# Altium PCB openservo_tessellated.PcbDoc (part 5 of 13)
Units mm, origin at the board's own origin, x right, y up, seen from the top; angles counter-clockwise.
Board outline 225 x 202.5 mm, 2 copper layers (Top Layer, Bottom Layer); 1250 components, 19 nets, 5300 pads, 1100 vias.
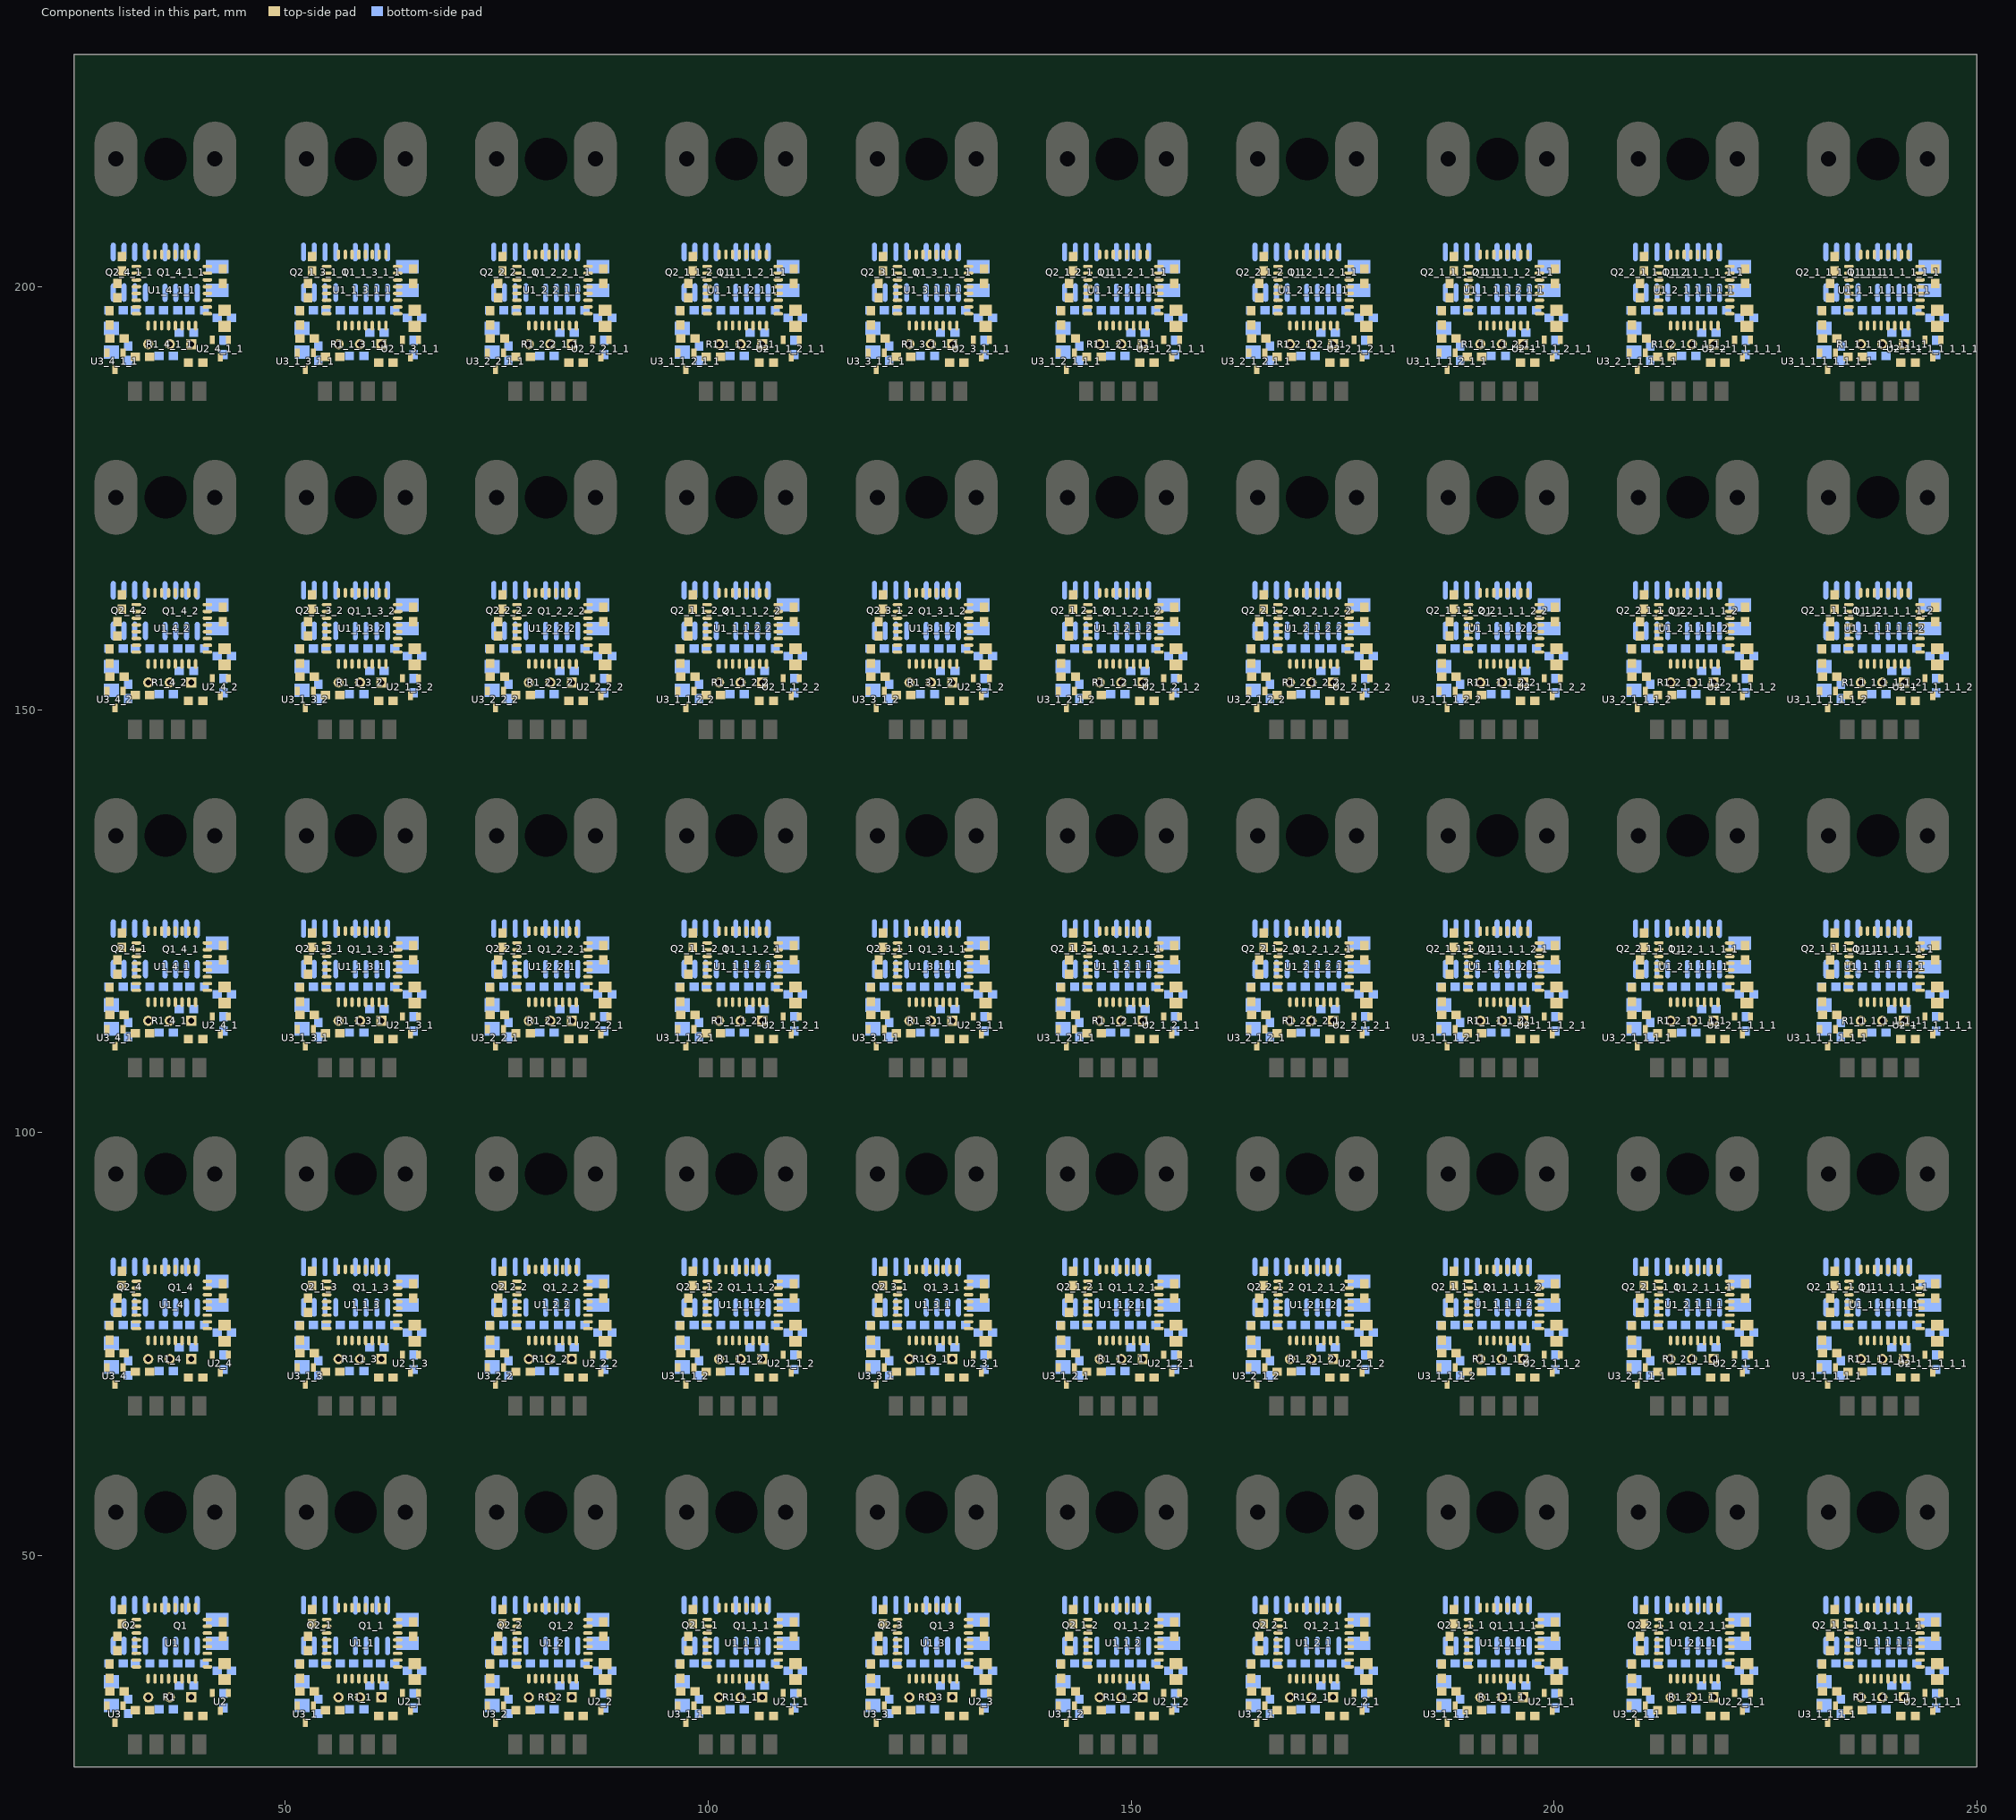
[diagram p5: the components of this part, seen from the top]

## Via types
v1: diameter 0.762, hole 0.35, Top Layer to Bottom Layer, 1000 vias
v2: diameter 1.27, hole 0.7, Top Layer to Bottom Layer, 100 vias

## Nets (pads, with @x,y where several pads share a name; then routed paths per layer and width w, separated by ;. In a path a pad name is that pad's centre, name@x,y a point inside that pad or via, vN(x,y) a via of type N, cw(c..) or ccw(c..) an arc to the next point about the centre after c; other vN are vias at no path point) (continued)
pads on no net: U1_2_1_1_1_2.25 U1_2_1_1_1_2.26 U1_2_1_1_1_2.27 U1_2_1_1_1_2.28 U1_2_1_1_1_2.29 U1_2_1_1_1_2.30 U1_2_1_1_1_2.31 U1_2_1_1_1_2.32 U1_2_1_2.1 U1_2_1_2.2 U1_2_1_2.3 U1_2_1_2.4 U1_2_1_2.5 U1_2_1_2.6 U1_2_1_2.7 U1_2_1_2.8 U1_2_1_2.9 U1_2_1_2.10 U1_2_1_2.11 U1_2_1_2.12 U1_2_1_2.13 U1_2_1_2.14 U1_2_1_2.15 U1_2_1_2.16 U1_2_1_2.17 U1_2_1_2.18 U1_2_1_2.19 U1_2_1_2.20 U1_2_1_2.21 U1_2_1_2.22 U1_2_1_2.23 U1_2_1_2.24 U1_2_1_2.25 U1_2_1_2.26 U1_2_1_2.27 U1_2_1_2.28 U1_2_1_2.29 U1_2_1_2.30 U1_2_1_2.31 U1_2_1_2.32 U1_2_1_2_1.1 U1_2_1_2_1.2 U1_2_1_2_1.3 U1_2_1_2_1.4 U1_2_1_2_1.5 U1_2_1_2_1.6 U1_2_1_2_1.7 U1_2_1_2_1.8 U1_2_1_2_1.9 U1_2_1_2_1.10 U1_2_1_2_1.11 U1_2_1_2_1.12 U1_2_1_2_1.13 U1_2_1_2_1.14 U1_2_1_2_1.15 U1_2_1_2_1.16 U1_2_1_2_1.17 U1_2_1_2_1.18 U1_2_1_2_1.19 U1_2_1_2_1.20 U1_2_1_2_1.21 U1_2_1_2_1.22 U1_2_1_2_1.23 U1_2_1_2_1.24 U1_2_1_2_1.25 U1_2_1_2_1.26 U1_2_1_2_1.27 U1_2_1_2_1.28 U1_2_1_2_1.29 U1_2_1_2_1.30 U1_2_1_2_1.31 U1_2_1_2_1.32 U1_2_1_2_1_1.1 U1_2_1_2_1_1.2 U1_2_1_2_1_1.3 U1_2_1_2_1_1.4 U1_2_1_2_1_1.5 U1_2_1_2_1_1.6 U1_2_1_2_1_1.7 U1_2_1_2_1_1.8 U1_2_1_2_1_1.9 U1_2_1_2_1_1.10 U1_2_1_2_1_1.11 U1_2_1_2_1_1.12 U1_2_1_2_1_1.13 U1_2_1_2_1_1.14 U1_2_1_2_1_1.15 U1_2_1_2_1_1.16 U1_2_1_2_1_1.17 U1_2_1_2_1_1.18 U1_2_1_2_1_1.19 U1_2_1_2_1_1.20 U1_2_1_2_1_1.21 U1_2_1_2_1_1.22 U1_2_1_2_1_1.23 U1_2_1_2_1_1.24 U1_2_1_2_1_1.25 U1_2_1_2_1_1.26 U1_2_1_2_1_1.27 U1_2_1_2_1_1.28 U1_2_1_2_1_1.29 U1_2_1_2_1_1.30 U1_2_1_2_1_1.31 U1_2_1_2_1_1.32 U1_2_1_2_2.1 U1_2_1_2_2.2 U1_2_1_2_2.3 U1_2_1_2_2.4 U1_2_1_2_2.5 U1_2_1_2_2.6 U1_2_1_2_2.7 U1_2_1_2_2.8 U1_2_1_2_2.9 U1_2_1_2_2.10 U1_2_1_2_2.11 U1_2_1_2_2.12 U1_2_1_2_2.13 U1_2_1_2_2.14 U1_2_1_2_2.15 U1_2_1_2_2.16 U1_2_1_2_2.17 U1_2_1_2_2.18 U1_2_1_2_2.19 U1_2_1_2_2.20 U1_2_1_2_2.21 U1_2_1_2_2.22 U1_2_1_2_2.23 U1_2_1_2_2.24 U1_2_1_2_2.25 U1_2_1_2_2.26 U1_2_1_2_2.27 U1_2_1_2_2.28 U1_2_1_2_2.29 U1_2_1_2_2.30 U1_2_1_2_2.31 U1_2_1_2_2.32 U1_2_2.1 U1_2_2.2 U1_2_2.3 U1_2_2.4 U1_2_2.5 U1_2_2.6 U1_2_2.7 U1_2_2.8 U1_2_2.9 U1_2_2.10 U1_2_2.11 U1_2_2.12 U1_2_2.13 U1_2_2.14 U1_2_2.15 U1_2_2.16 U1_2_2.17 U1_2_2.18 U1_2_2.19 U1_2_2.20 U1_2_2.21 U1_2_2.22 U1_2_2.23 U1_2_2.24 U1_2_2.25 U1_2_2.26 U1_2_2.27 U1_2_2.28 U1_2_2.29 U1_2_2.30 U1_2_2.31 U1_2_2.32 U1_2_2_1.1 U1_2_2_1.2 U1_2_2_1.3 U1_2_2_1.4 U1_2_2_1.5 U1_2_2_1.6 U1_2_2_1.7 U1_2_2_1.8 U1_2_2_1.9 U1_2_2_1.10 U1_2_2_1.11 U1_2_2_1.12 U1_2_2_1.13 U1_2_2_1.14 U1_2_2_1.15 U1_2_2_1.16 U1_2_2_1.17 U1_2_2_1.18 U1_2_2_1.19 U1_2_2_1.20 U1_2_2_1.21 U1_2_2_1.22 U1_2_2_1.23 U1_2_2_1.24 U1_2_2_1.25 U1_2_2_1.26 U1_2_2_1.27 U1_2_2_1.28 U1_2_2_1.29 U1_2_2_1.30 U1_2_2_1.31 U1_2_2_1.32 U1_2_2_1_1.1 U1_2_2_1_1.2 U1_2_2_1_1.3 U1_2_2_1_1.4 U1_2_2_1_1.5 U1_2_2_1_1.6 U1_2_2_1_1.7 U1_2_2_1_1.8 U1_2_2_1_1.9 U1_2_2_1_1.10 U1_2_2_1_1.11 U1_2_2_1_1.12 U1_2_2_1_1.13 U1_2_2_1_1.14 U1_2_2_1_1.15 U1_2_2_1_1.16 U1_2_2_1_1.17 U1_2_2_1_1.18 U1_2_2_1_1.19 U1_2_2_1_1.20 U1_2_2_1_1.21 U1_2_2_1_1.22 U1_2_2_1_1.23 U1_2_2_1_1.24 U1_2_2_1_1.25 U1_2_2_1_1.26 U1_2_2_1_1.27 U1_2_2_1_1.28 U1_2_2_1_1.29 U1_2_2_1_1.30 U1_2_2_1_1.31 U1_2_2_1_1.32 U1_2_2_2.1 U1_2_2_2.2 U1_2_2_2.3 U1_2_2_2.4 U1_2_2_2.5 U1_2_2_2.6 U1_2_2_2.7 U1_2_2_2.8 U1_2_2_2.9 U1_2_2_2.10 U1_2_2_2.11 U1_2_2_2.12 U1_2_2_2.13 U1_2_2_2.14 U1_2_2_2.15 U1_2_2_2.16 U1_2_2_2.17 U1_2_2_2.18 U1_2_2_2.19 U1_2_2_2.20 U1_2_2_2.21 U1_2_2_2.22 U1_2_2_2.23 U1_2_2_2.24 U1_2_2_2.25 U1_2_2_2.26 U1_2_2_2.27 U1_2_2_2.28 U1_2_2_2.29 U1_2_2_2.30 U1_2_2_2.31 U1_2_2_2.32 U1_3.1 U1_3.2 U1_3.3 U1_3.4 U1_3.5 U1_3.6 U1_3.7 U1_3.8 U1_3.9 U1_3.10 U1_3.11 U1_3.12 U1_3.13 U1_3.14 U1_3.15 U1_3.16 U1_3.17 U1_3.18 U1_3.19 U1_3.20 U1_3.21 U1_3.22 U1_3.23 U1_3.24 U1_3.25 U1_3.26 U1_3.27 U1_3.28 U1_3.29 U1_3.30 U1_3.31 U1_3.32 U1_3_1.1 U1_3_1.2 U1_3_1.3 U1_3_1.4 U1_3_1.5 U1_3_1.6 U1_3_1.7 U1_3_1.8 U1_3_1.9 U1_3_1.10 U1_3_1.11 U1_3_1.12 U1_3_1.13 U1_3_1.14 U1_3_1.15 U1_3_1.16 U1_3_1.17 U1_3_1.18 U1_3_1.19 U1_3_1.20 U1_3_1.21 U1_3_1.22 U1_3_1.23 U1_3_1.24 U1_3_1.25 U1_3_1.26 U1_3_1.27 U1_3_1.28 U1_3_1.29 U1_3_1.30 U1_3_1.31 U1_3_1.32 U1_3_1_1.1 U1_3_1_1.2 U1_3_1_1.3 U1_3_1_1.4 U1_3_1_1.5 U1_3_1_1.6 U1_3_1_1.7 U1_3_1_1.8 U1_3_1_1.9 U1_3_1_1.10 U1_3_1_1.11 U1_3_1_1.12 U1_3_1_1.13 U1_3_1_1.14 U1_3_1_1.15 U1_3_1_1.16 U1_3_1_1.17 U1_3_1_1.18 U1_3_1_1.19 U1_3_1_1.20 U1_3_1_1.21 U1_3_1_1.22 U1_3_1_1.23 U1_3_1_1.24 U1_3_1_1.25 U1_3_1_1.26 U1_3_1_1.27 U1_3_1_1.28 U1_3_1_1.29 U1_3_1_1.30 U1_3_1_1.31 U1_3_1_1.32 U1_3_1_1_1.1 U1_3_1_1_1.2 U1_3_1_1_1.3 U1_3_1_1_1.4 U1_3_1_1_1.5 U1_3_1_1_1.6 U1_3_1_1_1.7 U1_3_1_1_1.8 U1_3_1_1_1.9 U1_3_1_1_1.10 U1_3_1_1_1.11 U1_3_1_1_1.12 U1_3_1_1_1.13 U1_3_1_1_1.14 U1_3_1_1_1.15 U1_3_1_1_1.16 U1_3_1_1_1.17 U1_3_1_1_1.18 U1_3_1_1_1.19 U1_3_1_1_1.20 U1_3_1_1_1.21 U1_3_1_1_1.22 U1_3_1_1_1.23 U1_3_1_1_1.24 U1_3_1_1_1.25 U1_3_1_1_1.26 U1_3_1_1_1.27 U1_3_1_1_1.28 U1_3_1_1_1.29 U1_3_1_1_1.30 U1_3_1_1_1.31 U1_3_1_1_1.32 U1_3_1_2.1 U1_3_1_2.2 U1_3_1_2.3 U1_3_1_2.4 U1_3_1_2.5 U1_3_1_2.6 U1_3_1_2.7 U1_3_1_2.8 U1_3_1_2.9 U1_3_1_2.10 U1_3_1_2.11 U1_3_1_2.12 U1_3_1_2.13 U1_3_1_2.14 U1_3_1_2.15 U1_3_1_2.16 U1_3_1_2.17 U1_3_1_2.18 U1_3_1_2.19 U1_3_1_2.20 U1_3_1_2.21 U1_3_1_2.22 U1_3_1_2.23 U1_3_1_2.24 U1_3_1_2.25 U1_3_1_2.26 U1_3_1_2.27 U1_3_1_2.28 U1_3_1_2.29 U1_3_1_2.30 U1_3_1_2.31 U1_3_1_2.32 U1_4.1 U1_4.2 U1_4.3 U1_4.4 U1_4.5 U1_4.6 U1_4.7 U1_4.8 U1_4.9 U1_4.10 U1_4.11 U1_4.12 U1_4.13 U1_4.14 U1_4.15 U1_4.16 U1_4.17 U1_4.18 U1_4.19 U1_4.20 U1_4.21 U1_4.22 U1_4.23 U1_4.24 U1_4.25 U1_4.26 U1_4.27 U1_4.28 U1_4.29 U1_4.30 U1_4.31 U1_4.32 U1_4_1.1 U1_4_1.2 U1_4_1.3 U1_4_1.4 U1_4_1.5 U1_4_1.6 U1_4_1.7 U1_4_1.8 U1_4_1.9 U1_4_1.10 U1_4_1.11 U1_4_1.12 U1_4_1.13 U1_4_1.14 U1_4_1.15 U1_4_1.16 U1_4_1.17 U1_4_1.18 U1_4_1.19 U1_4_1.20 U1_4_1.21 U1_4_1.22 U1_4_1.23 U1_4_1.24 U1_4_1.25 U1_4_1.26 U1_4_1.27 U1_4_1.28 U1_4_1.29 U1_4_1.30 U1_4_1.31 U1_4_1.32 U1_4_1_1.1 U1_4_1_1.2 U1_4_1_1.3 U1_4_1_1.4 U1_4_1_1.5 U1_4_1_1.6 U1_4_1_1.7 U1_4_1_1.8 U1_4_1_1.9 U1_4_1_1.10 U1_4_1_1.11 U1_4_1_1.12 U1_4_1_1.13 U1_4_1_1.14 U1_4_1_1.15 U1_4_1_1.16 U1_4_1_1.17 U1_4_1_1.18 U1_4_1_1.19 U1_4_1_1.20 U1_4_1_1.21 U1_4_1_1.22 U1_4_1_1.23 U1_4_1_1.24 U1_4_1_1.25 U1_4_1_1.26 U1_4_1_1.27 U1_4_1_1.28 U1_4_1_1.29 U1_4_1_1.30 U1_4_1_1.31 U1_4_1_1.32 U1_4_2.1 U1_4_2.2 U1_4_2.3 U1_4_2.4 U1_4_2.5 U1_4_2.6 U1_4_2.7 U1_4_2.8 U1_4_2.9 U1_4_2.10 U1_4_2.11 U1_4_2.12 U1_4_2.13 U1_4_2.14 U1_4_2.15 U1_4_2.16 U1_4_2.17 U1_4_2.18 U1_4_2.19 U1_4_2.20 U1_4_2.21 U1_4_2.22 U1_4_2.23 U1_4_2.24 U1_4_2.25 U1_4_2.26 U1_4_2.27 U1_4_2.28 U1_4_2.29 U1_4_2.30 U1_4_2.31 U1_4_2.32 U2_1.1 U2_1.2 U2_1.3 U2_1_1.1 U2_1_1.2 U2_1_1.3 U2_1_1_1.1 U2_1_1_1.2 U2_1_1_1.3 U2_1_1_1_1.1 U2_1_1_1_1.2 U2_1_1_1_1.3 U2_1_1_1_1_1.1 U2_1_1_1_1_1.2 U2_1_1_1_1_1.3 U2_1_1_1_1_1_1.1 U2_1_1_1_1_1_1.2 U2_1_1_1_1_1_1.3 U2_1_1_1_1_1_1_1.1 U2_1_1_1_1_1_1_1.2 U2_1_1_1_1_1_1_1.3 U2_1_1_1_1_1_2.1 U2_1_1_1_1_1_2.2 U2_1_1_1_1_1_2.3 U2_1_1_1_2.1 U2_1_1_1_2.2 U2_1_1_1_2.3 U2_1_1_1_2_1.1 U2_1_1_1_2_1.2 U2_1_1_1_2_1.3 U2_1_1_1_2_1_1.1 U2_1_1_1_2_1_1.2 U2_1_1_1_2_1_1.3 U2_1_1_1_2_2.1 U2_1_1_1_2_2.2 U2_1_1_1_2_2.3 U2_1_1_2.1 U2_1_1_2.2 U2_1_1_2.3 U2_1_1_2_1.1 U2_1_1_2_1.2 U2_1_1_2_1.3 U2_1_1_2_1_1.1 U2_1_1_2_1_1.2 U2_1_1_2_1_1.3 U2_1_1_2_2.1 U2_1_1_2_2.2 U2_1_1_2_2.3 U2_1_2.1 U2_1_2.2 U2_1_2.3 U2_1_2_1.1 U2_1_2_1.2 U2_1_2_1.3 U2_1_2_1_1.1 U2_1_2_1_1.2 U2_1_2_1_1.3 U2_1_2_1_1_1.1 U2_1_2_1_1_1.2 U2_1_2_1_1_1.3 U2_1_2_1_2.1 U2_1_2_1_2.2 U2_1_2_1_2.3 U2_1_3.1 U2_1_3.2 U2_1_3.3 U2_1_3_1.1 U2_1_3_1.2 U2_1_3_1.3 U2_1_3_1_1.1 U2_1_3_1_1.2 U2_1_3_1_1.3 U2_1_3_2.1 U2_1_3_2.2 U2_1_3_2.3 U2_2.1 U2_2.2 U2_2.3 U2_2_1.1 U2_2_1.2 U2_2_1.3 U2_2_1_1.1 U2_2_1_1.2 U2_2_1_1.3 U2_2_1_1_1.1 U2_2_1_1_1.2 U2_2_1_1_1.3 U2_2_1_1_1_1.1 U2_2_1_1_1_1.2 U2_2_1_1_1_1.3 U2_2_1_1_1_1_1.1 U2_2_1_1_1_1_1.2 U2_2_1_1_1_1_1.3 U2_2_1_1_1_2.1 U2_2_1_1_1_2.2 U2_2_1_1_1_2.3 U2_2_1_2.1 U2_2_1_2.2 U2_2_1_2.3 U2_2_1_2_1.1 U2_2_1_2_1.2 U2_2_1_2_1.3 U2_2_1_2_1_1.1 U2_2_1_2_1_1.2 U2_2_1_2_1_1.3 U2_2_1_2_2.1 U2_2_1_2_2.2 U2_2_1_2_2.3 U2_2_2.1 U2_2_2.2 U2_2_2.3 U2_2_2_1.1 U2_2_2_1.2 U2_2_2_1.3 U2_2_2_1_1.1 U2_2_2_1_1.2 U2_2_2_1_1.3 U2_2_2_2.1 U2_2_2_2.2 U2_2_2_2.3 U2_3.1 U2_3.2 U2_3.3 U2_3_1.1 U2_3_1.2 U2_3_1.3 U2_3_1_1.1 U2_3_1_1.2 U2_3_1_1.3 U2_3_1_1_1.1 U2_3_1_1_1.2 U2_3_1_1_1.3 U2_3_1_2.1 U2_3_1_2.2 U2_3_1_2.3 U2_4.1 U2_4.2 U2_4.3 U2_4_1.1 U2_4_1.2 U2_4_1.3 U2_4_1_1.1 U2_4_1_1.2 U2_4_1_1.3 U2_4_2.1 U2_4_2.2 U2_4_2.3 U3_1.1 U3_1.2 U3_1.3 U3_1_1.1 U3_1_1.2 U3_1_1.3 U3_1_1_1.1 U3_1_1_1.2 U3_1_1_1.3 U3_1_1_1_1.1 U3_1_1_1_1.2 U3_1_1_1_1.3 U3_1_1_1_1_1.1 U3_1_1_1_1_1.2 U3_1_1_1_1_1.3 U3_1_1_1_1_1_1.1 U3_1_1_1_1_1_1.2 U3_1_1_1_1_1_1.3 U3_1_1_1_1_1_1_1.1 U3_1_1_1_1_1_1_1.2 U3_1_1_1_1_1_1_1.3 U3_1_1_1_1_1_2.1 U3_1_1_1_1_1_2.2 U3_1_1_1_1_1_2.3 U3_1_1_1_2.1 U3_1_1_1_2.2 U3_1_1_1_2.3 U3_1_1_1_2_1.1 U3_1_1_1_2_1.2 U3_1_1_1_2_1.3 U3_1_1_1_2_1_1.1 U3_1_1_1_2_1_1.2 U3_1_1_1_2_1_1.3 U3_1_1_1_2_2.1 U3_1_1_1_2_2.2 U3_1_1_1_2_2.3 U3_1_1_2.1 U3_1_1_2.2 U3_1_1_2.3 U3_1_1_2_1.1 U3_1_1_2_1.2 U3_1_1_2_1.3 U3_1_1_2_1_1.1 U3_1_1_2_1_1.2 U3_1_1_2_1_1.3 U3_1_1_2_2.1 U3_1_1_2_2.2 U3_1_1_2_2.3 U3_1_2.1 U3_1_2.2 U3_1_2.3 U3_1_2_1.1 U3_1_2_1.2 U3_1_2_1.3 U3_1_2_1_1.1 U3_1_2_1_1.2 U3_1_2_1_1.3 U3_1_2_1_1_1.1 U3_1_2_1_1_1.2 U3_1_2_1_1_1.3 U3_1_2_1_2.1 U3_1_2_1_2.2 U3_1_2_1_2.3 U3_1_3.1 U3_1_3.2 U3_1_3.3 U3_1_3_1.1 U3_1_3_1.2 U3_1_3_1.3 U3_1_3_1_1.1 U3_1_3_1_1.2 U3_1_3_1_1.3 U3_1_3_2.1 U3_1_3_2.2 U3_1_3_2.3 U3_2.1 U3_2.2 U3_2.3 U3_2_1.1 U3_2_1.2 U3_2_1.3 U3_2_1_1.1 U3_2_1_1.2 U3_2_1_1.3 U3_2_1_1_1.1 U3_2_1_1_1.2 U3_2_1_1_1.3 U3_2_1_1_1_1.1 U3_2_1_1_1_1.2 U3_2_1_1_1_1.3 U3_2_1_1_1_1_1.1 U3_2_1_1_1_1_1.2 U3_2_1_1_1_1_1.3 U3_2_1_1_1_2.1 U3_2_1_1_1_2.2 U3_2_1_1_1_2.3 U3_2_1_2.1 U3_2_1_2.2 U3_2_1_2.3 U3_2_1_2_1.1 U3_2_1_2_1.2 U3_2_1_2_1.3 U3_2_1_2_1_1.1 U3_2_1_2_1_1.2 U3_2_1_2_1_1.3 U3_2_1_2_2.1 U3_2_1_2_2.2 U3_2_1_2_2.3 U3_2_2.1 U3_2_2.2 U3_2_2.3 U3_2_2_1.1 U3_2_2_1.2 U3_2_2_1.3 U3_2_2_1_1.1 U3_2_2_1_1.2 U3_2_2_1_1.3 U3_2_2_2.1 U3_2_2_2.2 U3_2_2_2.3 U3_3.1 U3_3.2 U3_3.3 U3_3_1.1 U3_3_1.2 U3_3_1.3 U3_3_1_1.1 U3_3_1_1.2 U3_3_1_1.3 U3_3_1_1_1.1 U3_3_1_1_1.2 U3_3_1_1_1.3 U3_3_1_2.1 U3_3_1_2.2 U3_3_1_2.3 U3_4.1 U3_4.2 U3_4.3 U3_4_1.1 U3_4_1.2 U3_4_1.3 U3_4_1_1.1 U3_4_1_1.2 U3_4_1_1.3 U3_4_2.1 U3_4_2.2 U3_4_2.3
copper on no net: | length 20759